# KiCad board controller_rev5.0_flat.kicad_pcb (continued)
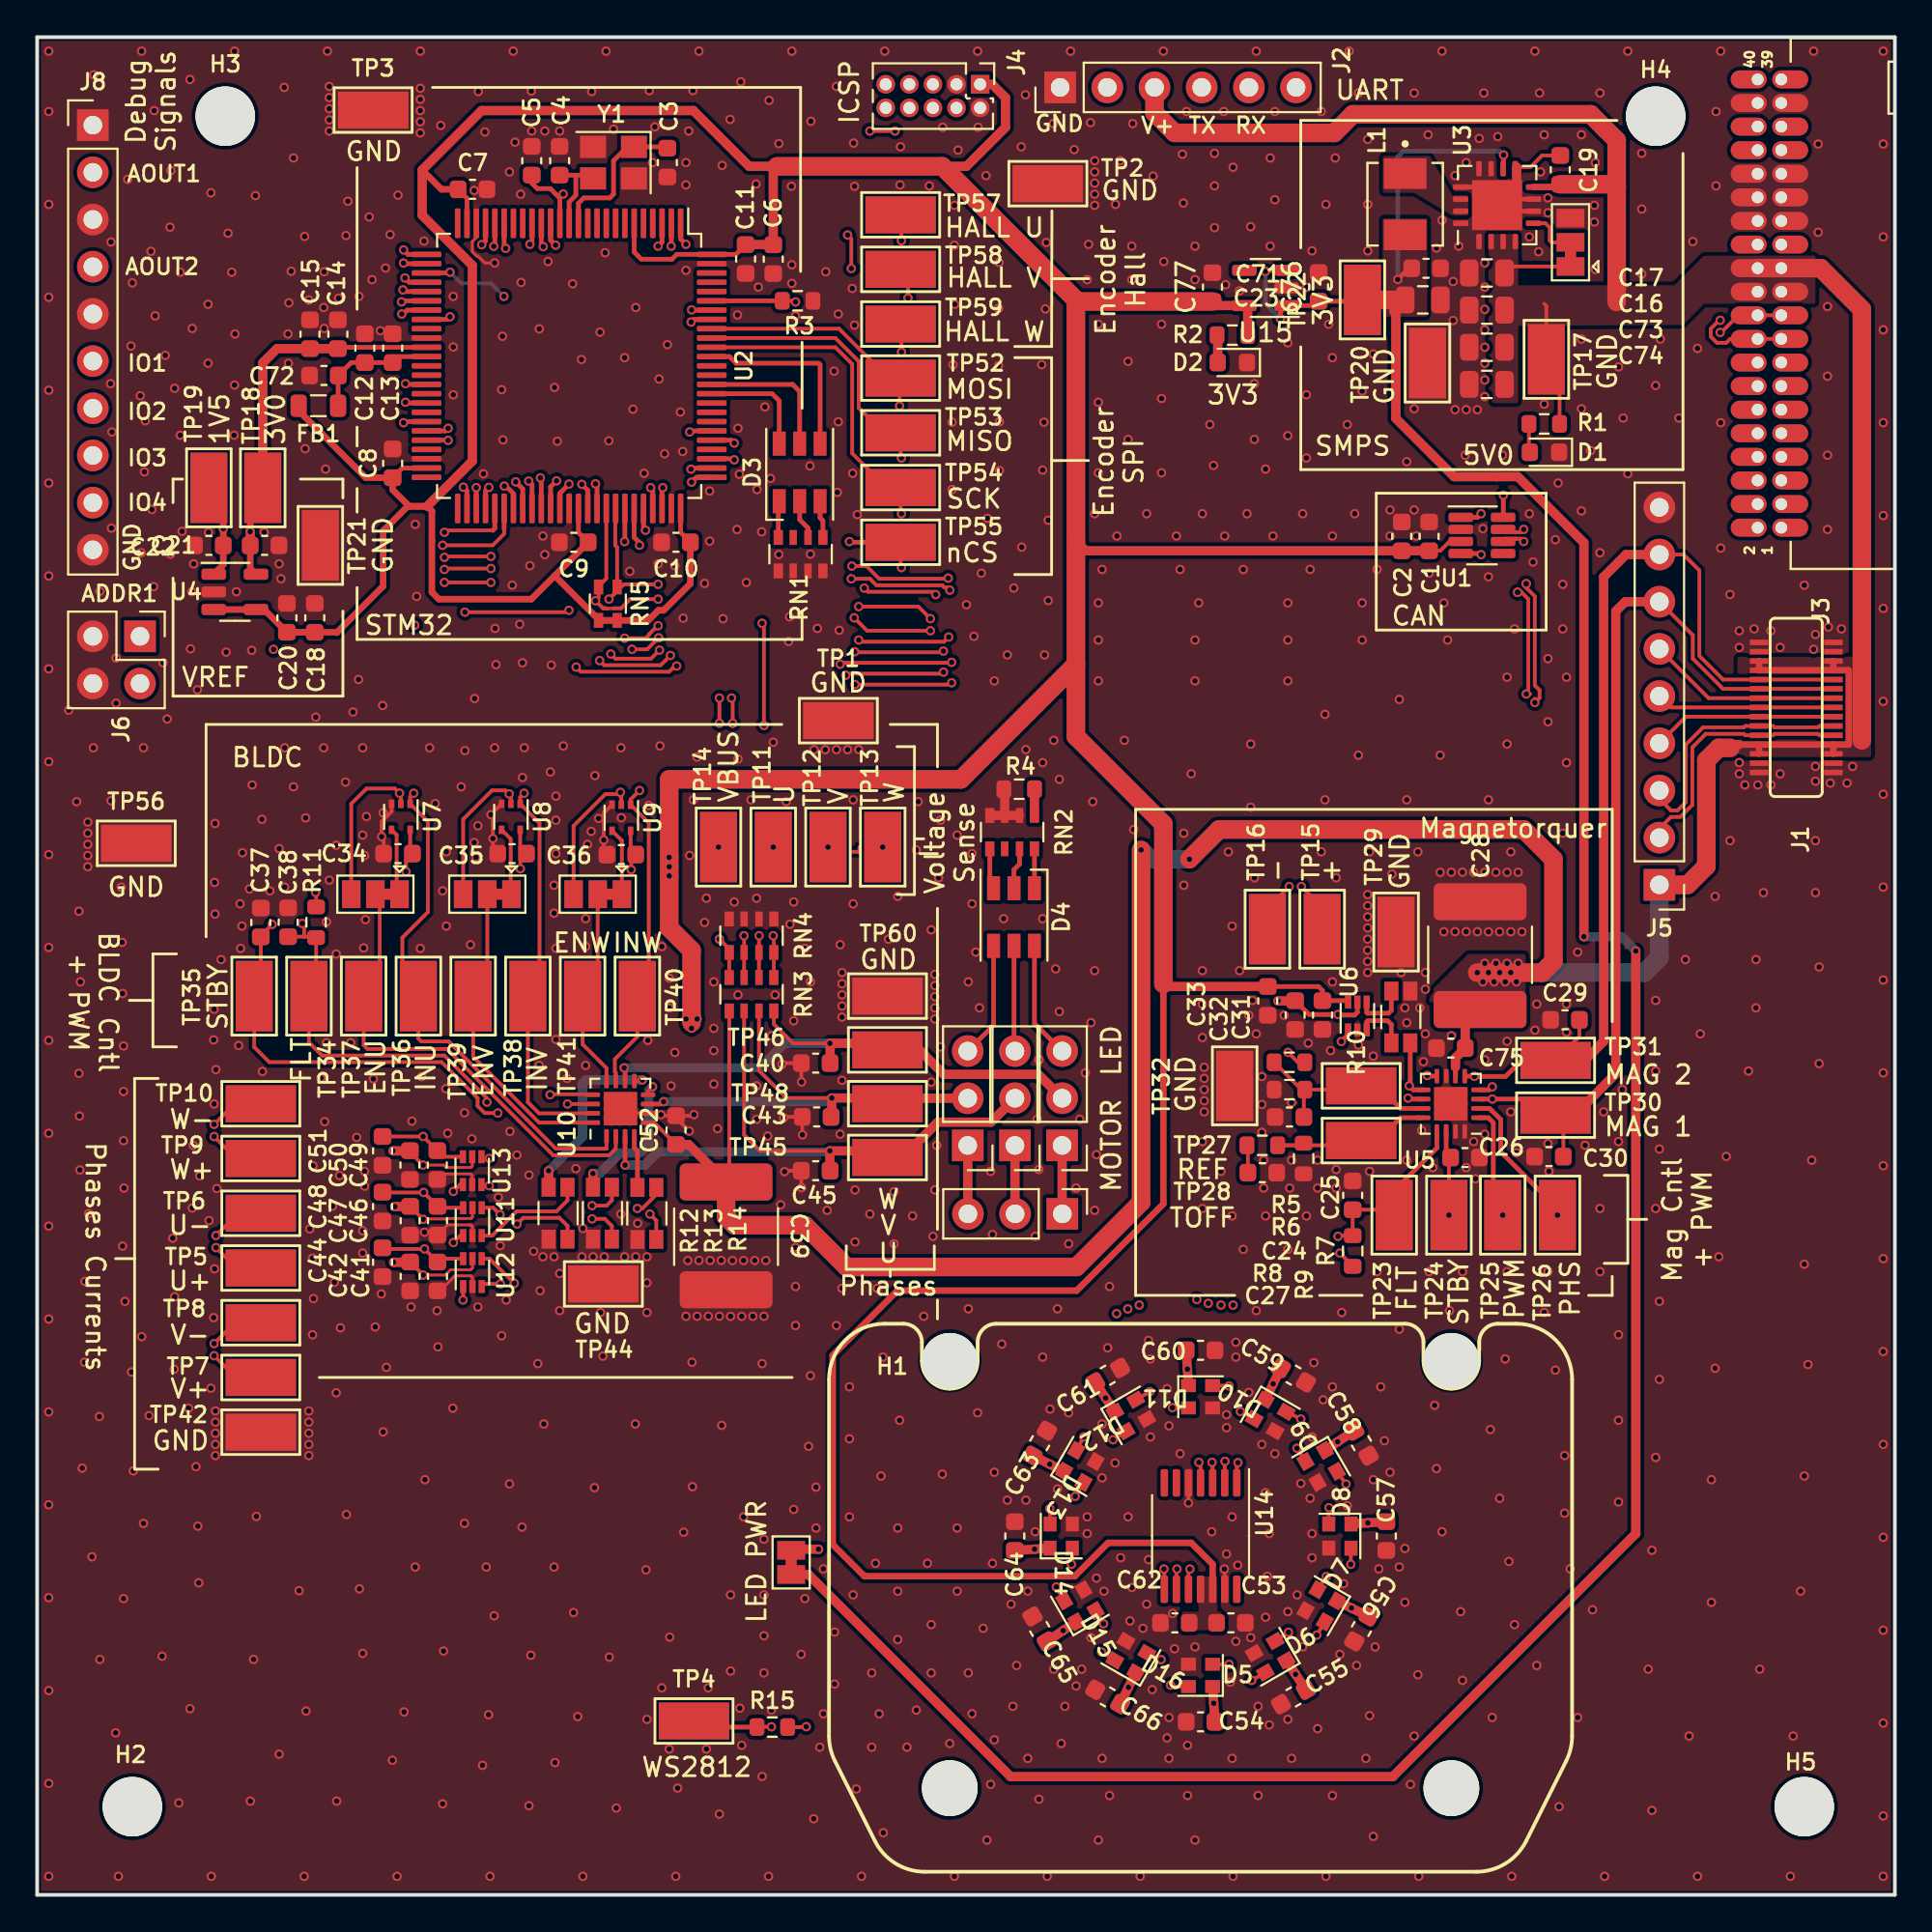
[diagram p0: board, top side]
## Routing (per net, layer and track width the routed paths; a pad name or vN(x,y) marks a point on that pad's centre or on a via; arc(x,y) is an arc through that point) (continued)
/MAG_FAULT: length 93.1
  Top w0.2: v1(43.53,65.65) 43.61,65.73 48.7,65.73 v1(48.79,65.82) ; v1(34.09,66.72) 33.56,66.19 30.53,66.19 v1(30.28,66.44) ; v1(70.03,35.45) 70.06,35.48 R7.2 C25.1 72.76,36.88 TP23.1
  Top w0.25: U5.13 75.35,40.21 73.05,37.91 TP23.1 ; v1(27.96,76.12) 27.64,75.79 U2.61
  In1.Cu w0.2: v1(43.53,65.65) 43.38,65.5 39.67,65.5 38.45,66.72 v1(34.09,66.72) ; v1(27.96,76.12) 27.96,75.9 28.57,75.29 28.57,71.68 27.07,70.18 27.07,68.31 28.79,66.59 29.39,66.59 30.13,66.59 v1(30.28,66.44) ; v1(48.79,65.82) 49.36,65.82 49.73,65.45 49.73,64.6 49.58,64.45 49.58,62.9 60.98,51.49 60.98,36.18 64.27,32.9 70.18,32.9 71.03,33.75 71.03,35.05 70.63,35.45 v1(70.03,35.45)
/MAG_PHASE: length 99.9
  Top w0.2: v1(44.23,67.55) 44.32,67.45 48.82,67.45 v1(49.07,67.71) ; v1(31.62,67.65) 32.76,67.65 32.95,67.84 32.95,67.87 33.25,68.17 33.28,68.17 v1(33.43,68.32)
  Top w0.25: v1(30.06,75.96) 30.14,75.87 U2.66 ; U5.2 78.18,42.33 78.28,42.24 78.28,42.24 78.79,41.73 78.79,40 81.84,36.94 v1(81.84,36.59)
  In1.Cu w0.2: v1(44.23,67.55) 43.23,67.55 42.23,66.56 40.11,66.56 38.89,67.77 34.74,67.77 34.46,68.05 34.03,68.05 33.76,68.32 v1(33.43,68.32) ; v1(81.84,36.59) 79.6,36.59 78.94,37.25 78.93,37.25 78.57,37.6 70.48,37.6 68.53,35.65 68.53,35 67.48,33.95 64.71,33.95 62.04,36.62 62.04,51.93 50.78,63.18 50.78,66.09 49.16,67.71 v1(49.07,67.71) ; v1(31.62,67.65) 29.23,67.65 28.13,68.75 28.13,68.94 28.12,68.94 28.12,69.35 28.13,69.36 28.13,69.75 29.63,71.25 29.63,75.53 v1(30.06,75.96)
/MAG_PWM: length 95.1
  Top w0.2: v1(48.79,66.95) 48.72,66.89 44.04,66.89 v1(44.01,66.92) ; v1(33.45,67.66) 32.84,67.05 v1(32.02,67.05)
  Top w0.25: v1(29.32,75.93) 29.64,75.61 U2.65 ; v1(78.89,36.59) 78.38,37.1 78.38,41.57 78.12,41.83 U5.1
  In1.Cu w0.2: v1(48.79,66.95) 49.33,66.95 49.84,66.45 49.93,66.45 50.43,65.94 50.43,63.04 61.69,51.78 61.69,36.48 64.56,33.6 67.63,33.6 68.93,34.9 68.93,35.45 70.73,37.25 78.23,37.25 v1(78.89,36.59) ; v1(44.01,66.92) 43.09,66.92 42.38,66.2 39.96,66.2 38.74,67.42 34.59,67.42 34.31,67.7 33.49,67.7 v1(33.45,67.66) ; v1(29.32,75.93) 29.33,75.92 29.33,75.72 29.27,75.67 29.27,71.39 27.77,69.89 27.77,69.5 27.77,69.5 27.77,68.6 29.08,67.29 31.27,67.29 31.42,67.14 31.93,67.14 v1(32.02,67.05)
/MAG_STBY: length 94.1
  Top w0.2: v1(34.43,66.15) 34.32,66.05 34.23,66.05 34.02,65.84 29.26,65.84 v1(29.02,66.09) ; v1(44.03,65.15) 49.13,65.15 v1(49.23,65.25) ; C26.1 76,39.6 v1(76,36.59)
  Top w0.25: v1(27.09,76.27) 27.14,76.23 U2.60 ; U5.14 75.85,39.92 C26.1
  In1.Cu w0.2: v1(44.03,65.15) 39.52,65.15 38.52,66.15 v1(34.43,66.15) ; v1(49.23,65.25) 49.23,62.75 60.63,51.34 60.63,36.04 64.12,32.55 75.53,32.55 76,33.02 v1(76,36.59) ; v1(27.09,76.27) 28.22,75.15 28.22,71.83 26.72,70.33 26.72,68.17 28.64,66.24 28.87,66.24 v1(29.02,66.09)
/MAG_VREF: length 79.4
  Top w0.2: v1(39.03,68.45) 39.13,68.35 v1(39.13,62.95) ; R5.2 67.87,44.82 v1(67.33,45.35)
  Top w0.25: v1(22.23,87.35) 22.18,87.31 U2.28
  In2.Cu w0.2: v1(39.03,68.45) 39.03,71.25 25.13,85.15 v1(25.13,86.05) ; v1(67.33,45.35) 66.13,46.56 66.13,62.25 65.43,62.95 v1(39.13,62.95)
  Bottom w0.2: v1(25.13,86.05) 24.43,86.75 22.83,86.75 v1(22.23,87.35)
/NRST: length 28
  Top w0.2: v1(28.32,91.55) 28.14,91.37 28.14,91.33 ; v1(44.83,94.95) v1(46.18,94.95)
  Top w0.25: C5.1 26.63,92.15 26.93,91.85 27.63,91.85 28.14,91.33 U2.14
  In1.Cu w0.2: v1(46.18,94.95) 46.97,94.95 J4.6 ; v1(44.83,94.95) 44.98,94.8 44.98,91.79 44.54,91.35 28.52,91.35 v1(28.32,91.55)
/OSCOPE_1: length 19.8
  Top w0.25: v1(19.73,88.55) 19.97,88.31 U2.26
  In1.Cu w0.2: v1(19.73,88.55) 7.17,88.55 J8.2
/OSCOPE_2: length 18.4
  Top w0.25: U2.27 19.75,87.81 v1(19.72,87.84)
  In1.Cu w0.2: J8.4 6.63,87.64 7.18,88.19 19.37,88.19 v1(19.72,87.84)
/Reaction Wheel/BLDC_U: length 37
  Top w0.2: RN3.6 38.06,40.9 38.91,40.05 v1(42.67,40.05)
  Top w0.25: 31.65,40.83 v1(31.65,39.28) ; 42.67,38.99 C45.1
  Top w0.5: JP2.2 51.35,41.59 48.48,41.59 46.58,39.69 TP45.1 45.42,40.05 v1(42.67,40.05) 42.67,38.99
  Bottom w0.25: 42.62,40 v1(42.67,40.05)
  Bottom w0.5: v1(31.65,39.28) 32.71,39.28 33.42,40 42.62,40
/Reaction Wheel/BLDC_V: length 26.4
  Top w0.2: v1(42.77,42.89) 40.34,42.89 38.86,44.37 RN3.7 ; 33.6,42.57 v1(33.73,42.7)
  Top w0.25: U10.7 33.6,42.57
  Top w0.5: C43.1 42.77,41.91 v1(42.77,42.89) 45.47,42.89 TP48.1 46.06,42.88 JP3.2
  Bottom w0.5: v1(33.73,42.7) 42.58,42.7 v1(42.77,42.89)
/Reaction Wheel/BLDC_W: length 31.4
  Top w0.2: 31.65,44.47 v1(31.6,44.52) ; RN3.8 39.66,46.87 40.69,45.84 v1(42.67,45.84)
  Top w0.25: U10.10 31.65,44.47
  Top w0.5: 42.88,45.84 45.42,45.84 TP46.1 47.49,45.48 48.81,44.17 53.89,44.17 JP1.2 ; 42.88,45.84 42.69,45.65 C40.1 ; 42.88,45.84 v1(42.67,45.84)
  Bottom w0.5: v1(31.6,44.52) 38.91,44.52 40.23,45.84 v1(42.67,45.84)
/SPI_MISO: length 81.5
  Top w0.2: U14.3 63.28,23.25 v1(63.25,23.28) ; U2.91 42.97,83.81 44.23,82.55 44.23,80.05 45.57,78.7 TP53.1 46.48,77.39 v1(46.53,77.35)
  In1.Cu w0.2: v1(63.04,31.84) 63.04,30.67 62.63,30.25 61.92,30.25 61.13,31.04 61.13,34.55 59.93,35.75 59.93,50.84 47.23,63.54 47.23,70.65 47.73,71.15 47.73,74.05 46.53,75.25 v1(46.53,77.35)
  In2.Cu w0.2: v1(63.25,23.28) 62.78,23.75 62.78,31.57 v1(63.04,31.84)
/SPI_MOSI: length 80.9
  Top w0.2: v1(46.43,80.15) 46.43,81.59 TP52.1 45.82,81.65 43.17,84.31 U2.92 ; v1(62.53,23.28) 62.63,23.19 U14.4
  In1.Cu w0.2: v1(62.43,32.05) 62.43,30.7 62.33,30.6 62.06,30.6 61.48,31.18 61.48,34.69 60.28,35.89 60.28,50.98 47.58,63.68 47.58,70.51 48.08,71 48.08,74.19 47.03,75.24 47.03,76.15 47.03,76.15 47.03,79.54 v1(46.43,80.15)
  In2.Cu w0.2: v1(62.53,23.28) 62.43,23.39 v1(62.43,32.05)
/SPI_nCS: length 76.4
  Top w0.2: v1(64.64,23.27) 64.58,23.2 U14.1 ; TP55.1 46.48,71.49 v1(46.53,71.45)
  Top w0.25: v1(37.53,77.25) 37.47,77.31 U2.78 ; TP55.1 43.76,72.81 v1(43.73,72.85)
  In1.Cu w0.2: v1(64.38,31.75) 64.38,30.5 63.43,29.55 61.63,29.55 60.43,30.75 60.43,34.25 59.23,35.45 59.23,50.55 46.53,63.25 v1(46.53,71.45)
  In1.Cu w0.25: v1(43.73,72.85) 39.33,77.25 v1(37.53,77.25)
  In2.Cu w0.2: v1(64.64,23.27) 64.64,23.35 63.48,24.51 63.48,30.6 64.38,31.5 v1(64.38,31.75)
/SPI_SCK: length 82.4
  Top w0.2: v1(46.53,74.35) 46.48,74.39 TP54.1 45.72,75.76 43.87,77.6 43.87,82.4 42.97,83.31 U2.90 ; v1(63.94,23.34) 63.93,23.32 U14.2
  In1.Cu w0.2: v1(46.53,74.35) 47.33,73.55 47.33,71.25 46.88,70.8 46.88,63.39 59.58,50.69 59.58,35.59 60.78,34.39 60.78,30.89 61.77,29.9 63.28,29.9 63.73,30.34 63.73,31.8
  In2.Cu w0.2: v1(63.73,31.75) 63.73,31.35 63.13,30.75 63.13,24.14 63.93,23.34 v1(63.94,23.34)
/UART_RX: length 44.7
  Top w0.25: v1(35.23,85.32) 35.24,85.31 U2.94
  In1.Cu w0.2: J2.5 65.23,92.65 62.53,89.95 33.53,89.95 32.53,88.95 32.53,88.05 35.23,85.34 v1(35.23,85.32)
/UART_TX: length 44.7
  Top w0.25: v1(35.2,84.66) 35.34,84.81 U2.93
  In1.Cu w0.2: v1(35.2,84.66) 35.17,84.66 34.73,85.11 34.73,85.35 32.17,87.9 32.17,89.09 33.38,90.3 62.38,90.3 62.69,90.61 J2.4
/VSENSE_U: length 61
  Top w0.2: v1(38.05,51.63) 38.06,51.62 RN4.6 RN3.3 ; v1(36.73,63.07) v1(36.73,64.42)
  Top w0.25: U2.22 24.14,89.04 v1(23.93,88.83)
  In2.Cu w0.2: v1(23.93,88.83) 23.93,78.55 22.13,76.75 20.33,76.75 19.33,75.75 19.33,67.75 22.23,64.85 36.3,64.85 v1(36.73,64.42) ; v1(36.73,63.07) 39.62,60.17 v1(39.62,56.4) 38.05,54.83 v1(38.05,51.63)
/VSENSE_V: length 63.9
  Top w0.2: RN3.2 RN4.7 38.86,51.62 v1(38.86,51.63) ; v1(37.38,64.42) 37.44,64.36 v1(37.44,63.06)
  Top w0.25: v1(26.53,88.85) 26.64,88.96 U2.17
  In2.Cu w0.2: v1(38.86,51.63) 38.86,52.69 v1(42.57,56.4) 42.57,57.8 37.44,62.93 v1(37.44,63.06) ; v1(37.38,64.42) 37.38,64.48 36.66,65.2 22.37,65.2 19.68,67.89 19.68,75.6 20.42,76.35 22.22,76.35 24.28,78.41 24.28,86.61 v1(26.53,88.85)
/VSENSE_VBUS: length 49.8
  Top w0.2: RN3.4 RN4.5 37.26,50.92 v1(36.73,51.45)
  Top w0.25: U2.42 19.87,80.31 v1(19.83,80.35)
  In2.Cu w0.2: v1(19.83,80.35) 17.27,77.79 17.27,66.5 21.23,62.55 35.43,62.55 36.68,61.29 v1(36.68,56.4) 36.68,51.49 v1(36.73,51.45)
/VSENSE_W: length 60.2
  Top w0.2: v1(39.62,51.63) 39.66,51.6 RN4.8 RN3.1
  Top w0.25: U2.44 19.78,79.31 v1(19.73,79.25)
  In2.Cu w0.2: v1(45.52,56.4) 40.75,51.63 v1(39.62,51.63) 39.63,51.63 39.63,51.15 39.33,50.85 37.73,50.85 37.23,51.34 37.23,51.65 37.03,51.85 37.03,56.04 37.18,56.19 37.18,56.61 37.03,56.76 37.03,61.44 35.57,62.9 21.37,62.9 17.63,66.65 17.63,77.65 19.22,79.25 v1(19.73,79.25)
Net-(C3-Pad1): length 8.2
  Top w0.25: C3.1 33.85,94.1 Y1.1 31.78,94.1 31.03,93.35 31.03,91.55 30.83,91.35 29.43,91.35 29.14,91.06 U2.12
Net-(C4-Pad1): length 4.6
  Top w0.25: 29,92.57 29,91.49 28.64,91.13 U2.13 ; 29,92.57 29.75,92.57 Y1.3 ; 29,92.57 C4.1
Net-(C12-Pad1): length 6.8
  Top w0.25: U2.37 19.46,82.81 C13.1 C12.1 16.91,82.48 C72.1 16.2,81.78 FB1.2
Net-(C19-Pad2): length 2.6
  Top w0.2: NT1.2 80.39,93.01 81.01,93.63 C19.2
Net-(C24-Pad1): length 10.7
  Top w0.2: R6.2 71.07,43.35 TP27.1 ; R6.2 68.19,43.3 C24.1 ; R6.2 68.06,43.35 R5.1
  Top w0.25: TP27.1 72.19,43.55 73.4,42.33 U5.11
Net-(C27-Pad1): length 1.5
  Top w0.2: R8.2 65.18,40.3 C27.1
Net-(C54-Pad1): length 87.8
  Top w0.5: C61.1 v1(57.52,26.75) D12.1 ; D6.1 v1(67.74,11.87) C55.1 ; D11.1 v1(61.92,28.3) C60.1 ; D13.1 v1(54.51,23.18) C63.1 ; D9.1 v1(70.01,24.39) C58.1 ; D5.1 v1(63.34,10.31) C54.1 ; C66.1 v1(58.74,11.17) D16.1 ; D14.1 v1(53.69,18.61) C64.1 ; JP8.2 40.65,18.61 v1(42.06,18.61) ; C57.1 v1(71.63,20.02) D8.1 ; D10.1 v1(66.54,27.51) C59.1 ; D15.1 v1(55.23,14.23) C65.1 ; C56.1 v1(70.75,15.44) D7.1
  In1.Cu w0.5: v1(42.06,18.61) 42.07,18.61 v1(53.69,18.61) ; v1(58.74,11.17) 56.85,12.51 55.23,14.15 v1(55.23,14.23) 54.2,16.32 v1(53.69,18.61) ; v1(53.69,18.61) 53.8,21.04 v1(54.51,23.18) 55.83,25.21 57.44,26.75 v1(57.52,26.75) 59.74,27.85 v1(61.92,28.3) 64.31,28.11 v1(66.54,27.51) 68.53,26.17 70.01,24.62 v1(70.01,24.39) 71.12,22.42 v1(71.63,20.02) 71.42,17.59 v1(70.75,15.44) 69.56,13.67 67.76,11.87 v1(67.74,11.87) 65.58,10.83 v1(63.34,10.31)
Net-(D1-Pad2): length 1.5
  Top w0.2: R1.2 80.3,77.71 D1.2
Net-(D2-Pad2): length 1.5
  Top w0.5: R2.2 63.55,83.92 D2.2
Net-(D3-Pad1): length 2
  Top w0.25: RN1.8 39.9,74.97 D3.1
Net-(D3-Pad2): length 2.1
  Top w0.25: RN1.6 41.5,73.58 41.05,74.03 D3.2
Net-(D3-Pad3): length 2
  Top w0.25: RN1.5 42.3,73.98 42.15,74.13 D3.3
Net-(D4-Pad1): length 2.1
  Top w0.25: RN2.8 53.68,56.31 D4.1
Net-(D4-Pad2): length 2.2
  Top w0.25: D4.2 52.58,55.19 52.88,55.49 RN2.7
Net-(D4-Pad3): length 2.2
  Top w0.25: RN2.5 51.28,54.39 D4.3
Net-(D4-Pad4): length 6.2
  Top w0.25: JP3.3 51.48,46.81 D4.4
Net-(D4-Pad5): length 5.8
  Top w0.25: 52.64,51.03 D4.5 52.58,45.47 JP2.3
Net-(D4-Pad6): length 6.3
  Top w0.25: D4.6 53.68,46.91 JP1.3
Net-(D5-Pad2): length 3.2
  Top w0.2: v1(65.38,11.54) D6.4 ; D5.2 v1(64.16,12.41)
  In1.Cu w0.2: v1(64.16,12.41) v1(65.38,11.54)
Net-(D5-Pad4): length 22.9
  Top w0.2: R15.2 41.38,9.03 v1(41.4,9.06) ; D5.4 61.09,11.21 v1(61.01,11.29)
  In1.Cu w0.2: v1(61.01,11.29) 61.01,10.73 59.33,9.06 v1(41.4,9.06)
Net-(D6-Pad2): length 3.2
  Top w0.2: D7.4 v1(68.88,13.98) ; D6.2 v1(67.36,14.14)
  In1.Cu w0.2: v1(67.36,14.14) v1(68.88,13.98)
Net-(D7-Pad2): length 3.2
  Top w0.2: D8.4 v1(70.71,17.79) ; D7.2 v1(69.39,17.13)
  In1.Cu w0.2: v1(69.39,17.13) v1(70.71,17.79)
Net-(D8-Pad2): length 3.3
  Top w0.2: v1(69.55,20.84) 69.53,20.82 D8.2 ; D9.4 v1(70.46,22.11)
  In1.Cu w0.2: v1(69.55,20.84) v1(70.46,22.11)
Net-(D10-Pad2): length 3.2
  Top w0.2: D11.4 64.14,27.41 v1(64.16,27.39) ; D10.2 v1(64.77,26.02)
  In1.Cu w0.2: v1(64.77,26.02) v1(64.16,27.39)
Net-(D10-Pad4): length 3.3
  Top w0.2: D10.4 v1(68.02,25.62) ; D9.2 v1(67.82,24.04)
  In1.Cu w0.2: v1(67.82,24.04) v1(68.02,25.62)
Net-(D11-Pad2): length 3.2
  Top w0.2: D11.2 61.12,26.21 v1(61.11,26.23) ; D12.4 v1(59.89,27.09)
  In1.Cu w0.2: v1(59.89,27.09) v1(61.11,26.23)
Net-(D12-Pad2): length 3.3
  Top w0.2: D12.2 v1(57.91,24.5) ; D13.4 v1(56.34,24.65)
  In1.Cu w0.2: v1(57.91,24.5) v1(56.34,24.65)
Net-(D13-Pad2): length 3.2
  Top w0.2: D13.2 v1(55.88,21.45) ; v1(54.51,20.79) 54.53,20.77 D14.4
  In1.Cu w0.2: v1(54.51,20.79) v1(55.88,21.45)
Net-(D14-Pad2): length 3.2
  Top w0.2: D14.2 55.73,17.84 v1(55.68,17.79) ; D15.4 v1(54.86,16.57)
  In1.Cu w0.2: v1(55.68,17.79) v1(54.86,16.57)
Net-(D15-Pad2): length 3.2
  Top w0.2: D16.4 v1(57.3,13.07) ; D15.2 v1(57.4,14.59)
  In1.Cu w0.2: v1(57.4,14.59) v1(57.3,13.07)
Net-(D16-Pad2): length 0.8
  Top w0.2: D16.2 v1(60.5,12.66)
Net-(J7-Pad1): length 3.7
  Top w0.5: JP1.1 55.18,36.67 J7.1
Net-(J7-Pad2): length 3.7
  Top w0.5: JP2.1 52.64,36.67 J7.2
Net-(J7-Pad3): length 3.7
  Top w0.5: JP3.1 50.09,36.67 J7.3
Net-(JP4-Pad2): length 2.8
  Top w0.2: JP4.2 82.53,88.95 81.53,88.95 81.43,89.05 81.43,89.75 81.19,89.98 U3.5
Net-(JP5-Pad1): length 3.6
  Top w0.2: JP5.1 19.35,54.02 19.35,57.06 U7.4
Net-(JP5-Pad2): length 25.4
  Top w0.2: 31.15,40.83 31.15,40.17 30.79,39.81 27.78,39.81 22.06,45.53 17.78,45.53 17.58,45.74 TP37.1 18.44,49.24 18.44,53.63 JP5.2
Net-(JP6-Pad1): length 3.7
  Top w0.2: U8.4 25.49,56.84 25.49,53.9 JP6.1
Net-(JP6-Pad2): length 17
  Top w0.2: U10.16 27.02,41.57 23.47,45.12 TP39.1 24.23,49.14 JP6.2
Net-(JP7-Pad1): length 3.6
  Top w0.2: U9.4 31.48,56.75 JP7.1
Net-(JP7-Pad2): length 10.9
  Top w0.2: JP7.2 30.18,49.19 TP41.1 29.36,45.79 30.65,44.5 U10.12
Net-(R4-Pad1): length 1.4
  Top w0.5: RN2.1 53.68,59.51 R4.1
Net-(R8-Pad1): length 9.9
  Top w0.2: TP28.1 71.02,40.35 R8.1 68.06,40.35 R9.1
  Top w0.25: U5.12 73.39,41.83 72.16,40.6 TP28.1
Net-(R10-Pad2): length 3
  Top w0.25: U6.4 71.57,47.5 71.61,47.46 72.75,47.46 72.9,47.61 R10.2
Net-(R10-Pad3): length 2.9
  Top w0.25: U6.3 71.57,46.99 71.63,47.06 72.69,47.06 72.9,46.85 R10.3
Net-(R10-Pad4): length 9.1
  Top w0.25: R10.4 73.91,43.6 v1(73.86,43.55) 74.08,43.33 U5.9 ; v1(78.33,43.5) 78.31,43.5 78.15,43.33 U5.4
  In1.Cu w0.25: v1(78.33,43.5) 77.18,43.5 76.32,44.36 75.83,44.36 75.01,43.55 v1(73.86,43.55)
Net-(R12-Pad2): length 6
  Top w0.2: 28.55,35.3 28.55,36.01 28.11,36.45 28.1,36.44 26.16,36.44 v1(25.83,36.11) ; U11.4 24.55,36.99 v1(24.92,36.62)
  In1.Cu w0.2: v1(25.83,36.11) 25.32,36.62 v1(24.92,36.62)
Net-(R12-Pad3): length 6.1
  Top w0.2: U11.3 24.5,35.49 25.8,36.79 27.96,36.79 28.55,37.38 R12.3
Net-(R12-Pad4): length 10.1
  Top w0.2: v1(32.58,43.86) 32.52,43.81 U10.9
  Top w0.5: R12.4 v1(27.53,38.98)
  Bottom w0.5: v1(27.53,38.98) 29.36,40.81 29.36,43.7 29.53,43.86 v1(32.58,43.86)
Net-(R13-Pad2): length 10.8
  Top w0.2: 30.94,35.3 30.94,36.01 30.55,36.39 v1(29.87,36.39) ; U12.4 24.36,34.24 v1(25.68,32.92)
  In1.Cu w0.2: v1(29.87,36.39) 27.57,36.39 25.78,34.6 25.78,34.59 25.68,34.5 25.68,33.13
  Bottom w0.2: 25.68,33.13 v1(25.68,32.92)
Net-(R13-Pad3): length 10.4
  Top w0.2: v1(24.94,32.88) 24.07,32.88 U12.3 ; v1(29.87,37.1) 30.65,37.1 30.94,37.38 R13.3
  In1.Cu w0.2: v1(24.94,32.88) 24.94,34.26 25.12,34.44 25.13,34.44 25.43,34.74 25.43,34.75 27.78,37.1 v1(29.87,37.1)
Net-(R13-Pad4): length 8.1
  Top w0.2: U10.8 32.89,43.27 v1(33.12,43.5)
  Top w0.5: R13.4 v1(29.92,38.83)
  Bottom w0.5: v1(29.92,38.83) 30.27,38.83 31.38,39.93 32.44,39.93 32.93,40.42 32.93,43.29 33.13,43.49
Net-(R14-Pad2): length 11.6
  Top w0.2: R14.2 33.33,36.3 v1(32.98,36.65)
  In1.Cu w0.2: 32.92,36.8 32.92,37.05 32.01,37.96 26.02,37.96 v1(24.33,39.64)
  Bottom w0.2: 32.92,36.8 32.98,36.73 v1(32.98,36.65)
Net-(R14-Pad3): length 10.6
  Top w0.2: R14.3 33.33,37.7 32.58,36.95 v1(32.31,36.95) ; U13.3 23.98,38.17 v1(24.33,38.17)
  In1.Cu w0.2: v1(24.33,38.17) 25.31,38.17 25.87,37.6 31.65,37.6 v1(32.31,36.95)
Net-(R14-Pad4): length 2.8
  Top w0.25: R14.4 32.31,40.04 32.15,40.21 32.15,40.83

## Copper pours and planes (outline as drawn; the poured copper is in the pictures)
+3V3 on Top: 63.53,15.25 63.73,15.25 63.73,14.25 61.63,14.25 61.63,15.25 62.53,15.25 62.43,17.15 63.53,17.15
+5V on Top: 74.83,84.95 72.43,84.95 72.43,90.25 74.83,90.25
GND on Top, Bottom, In1.Cu, In2.Cu: 101.93,-1.75 -1.47,-1.75 -1.47,101.45 101.93,101.45
VBUS on Top: 95.73,85.65 89.73,85.65 88.59,84.51 78.13,84.45 78.13,86.65 88.14,86.65 89.72,88.23 95.73,88.25
VBUS on Top: 98.73,61.25 91.53,61.25 91.53,66.65 98.73,66.65
VBUS on Top: 79.73,80.3 78.13,80.3 78.13,89.45 79.73,89.45
VBUS on Top: 80.13,48.35 79.43,48.05 74.93,48.05 75.03,48.65 77.03,50.65 80.13,50.65
Net-(L1-Pad1) on Top: 77.08,91.5 77.08,90.4 76.18,90.4 74.13,91.62 72.43,91.62 72.43,93.61 74.98,93.6 76.18,91.5

## Text on the board
User.Eco1: 1.95mm | 3.15mm | 5.15mm | Stackup notes: / Requires low crosstalk between L2/L3 / Recommend large PCB core, small gap between L1/L2, L3/L4 / Designed with JLC2313 in mind
F.Silkscreen: IO1 | IO2 | IO3 | IO4 | AOUT2 | AOUT1 | GND | V+ | TX | RX | U- | U+ | V- | W- | W+ | VREF | BLDC | STM32 | ENW | INW | WS2812 | W | V | U | Phases | nCS | SCK | MOSI | MISO | HALL U | HALL V | HALL W | REF | TOFF | 3V3 | SMPS | UART | CAN | 5V0 | Magnetorquer | MAG 2 | MAG 1 | Debug / Signals | STBY | 1V5 | 3V0 | FLT | ENU | INU | ENV | INV | VBUS | LED PWR | ICSP | Voltage / Sense | LED | MOTOR | Encoder / SPI | Encoder / Hall | - | + | PWM | PHS | Mag Cntl / + PWM | BLDC Cntl / + PWM | Phases Currents
